# KiCad board SmartSpin2k_Panelized.kicad_pcb
title: SmartSPin2k PCB; date: 2022-03-13; rev: 2.35; company: GitHub; note: Designer: Alex Quilty; note: Owner: Anthony Doud
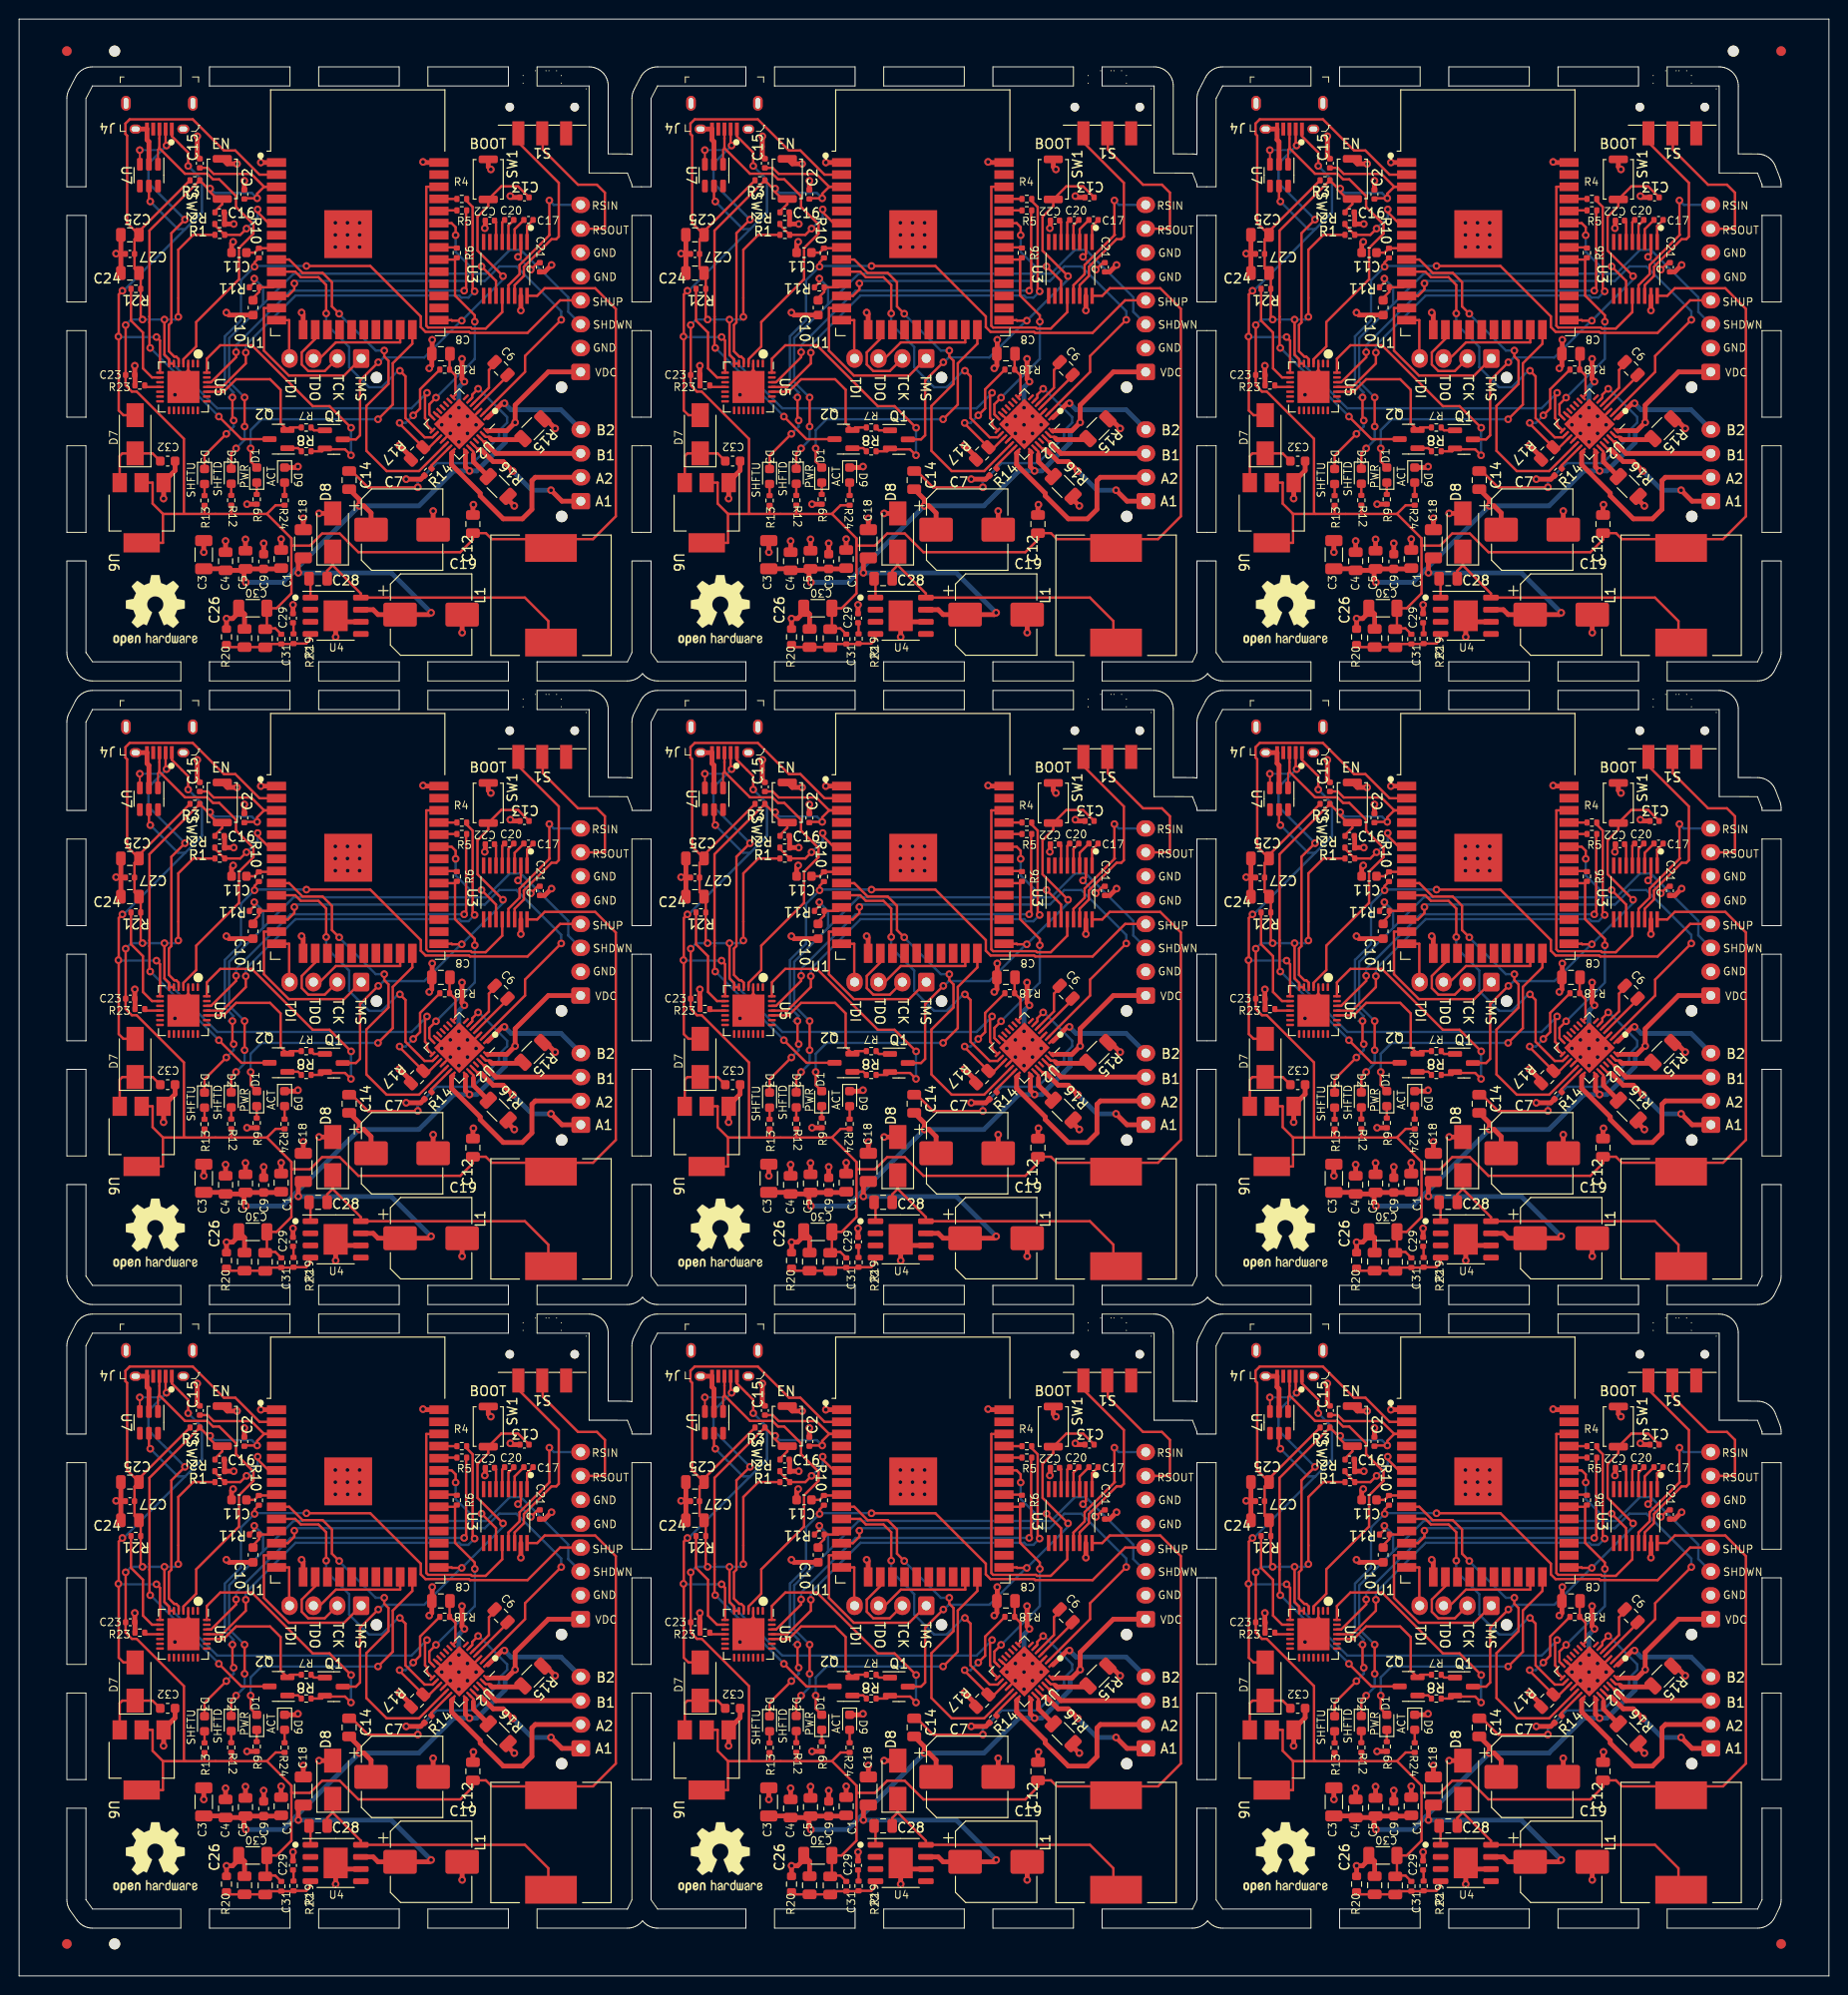
[diagram p0: board, top side]
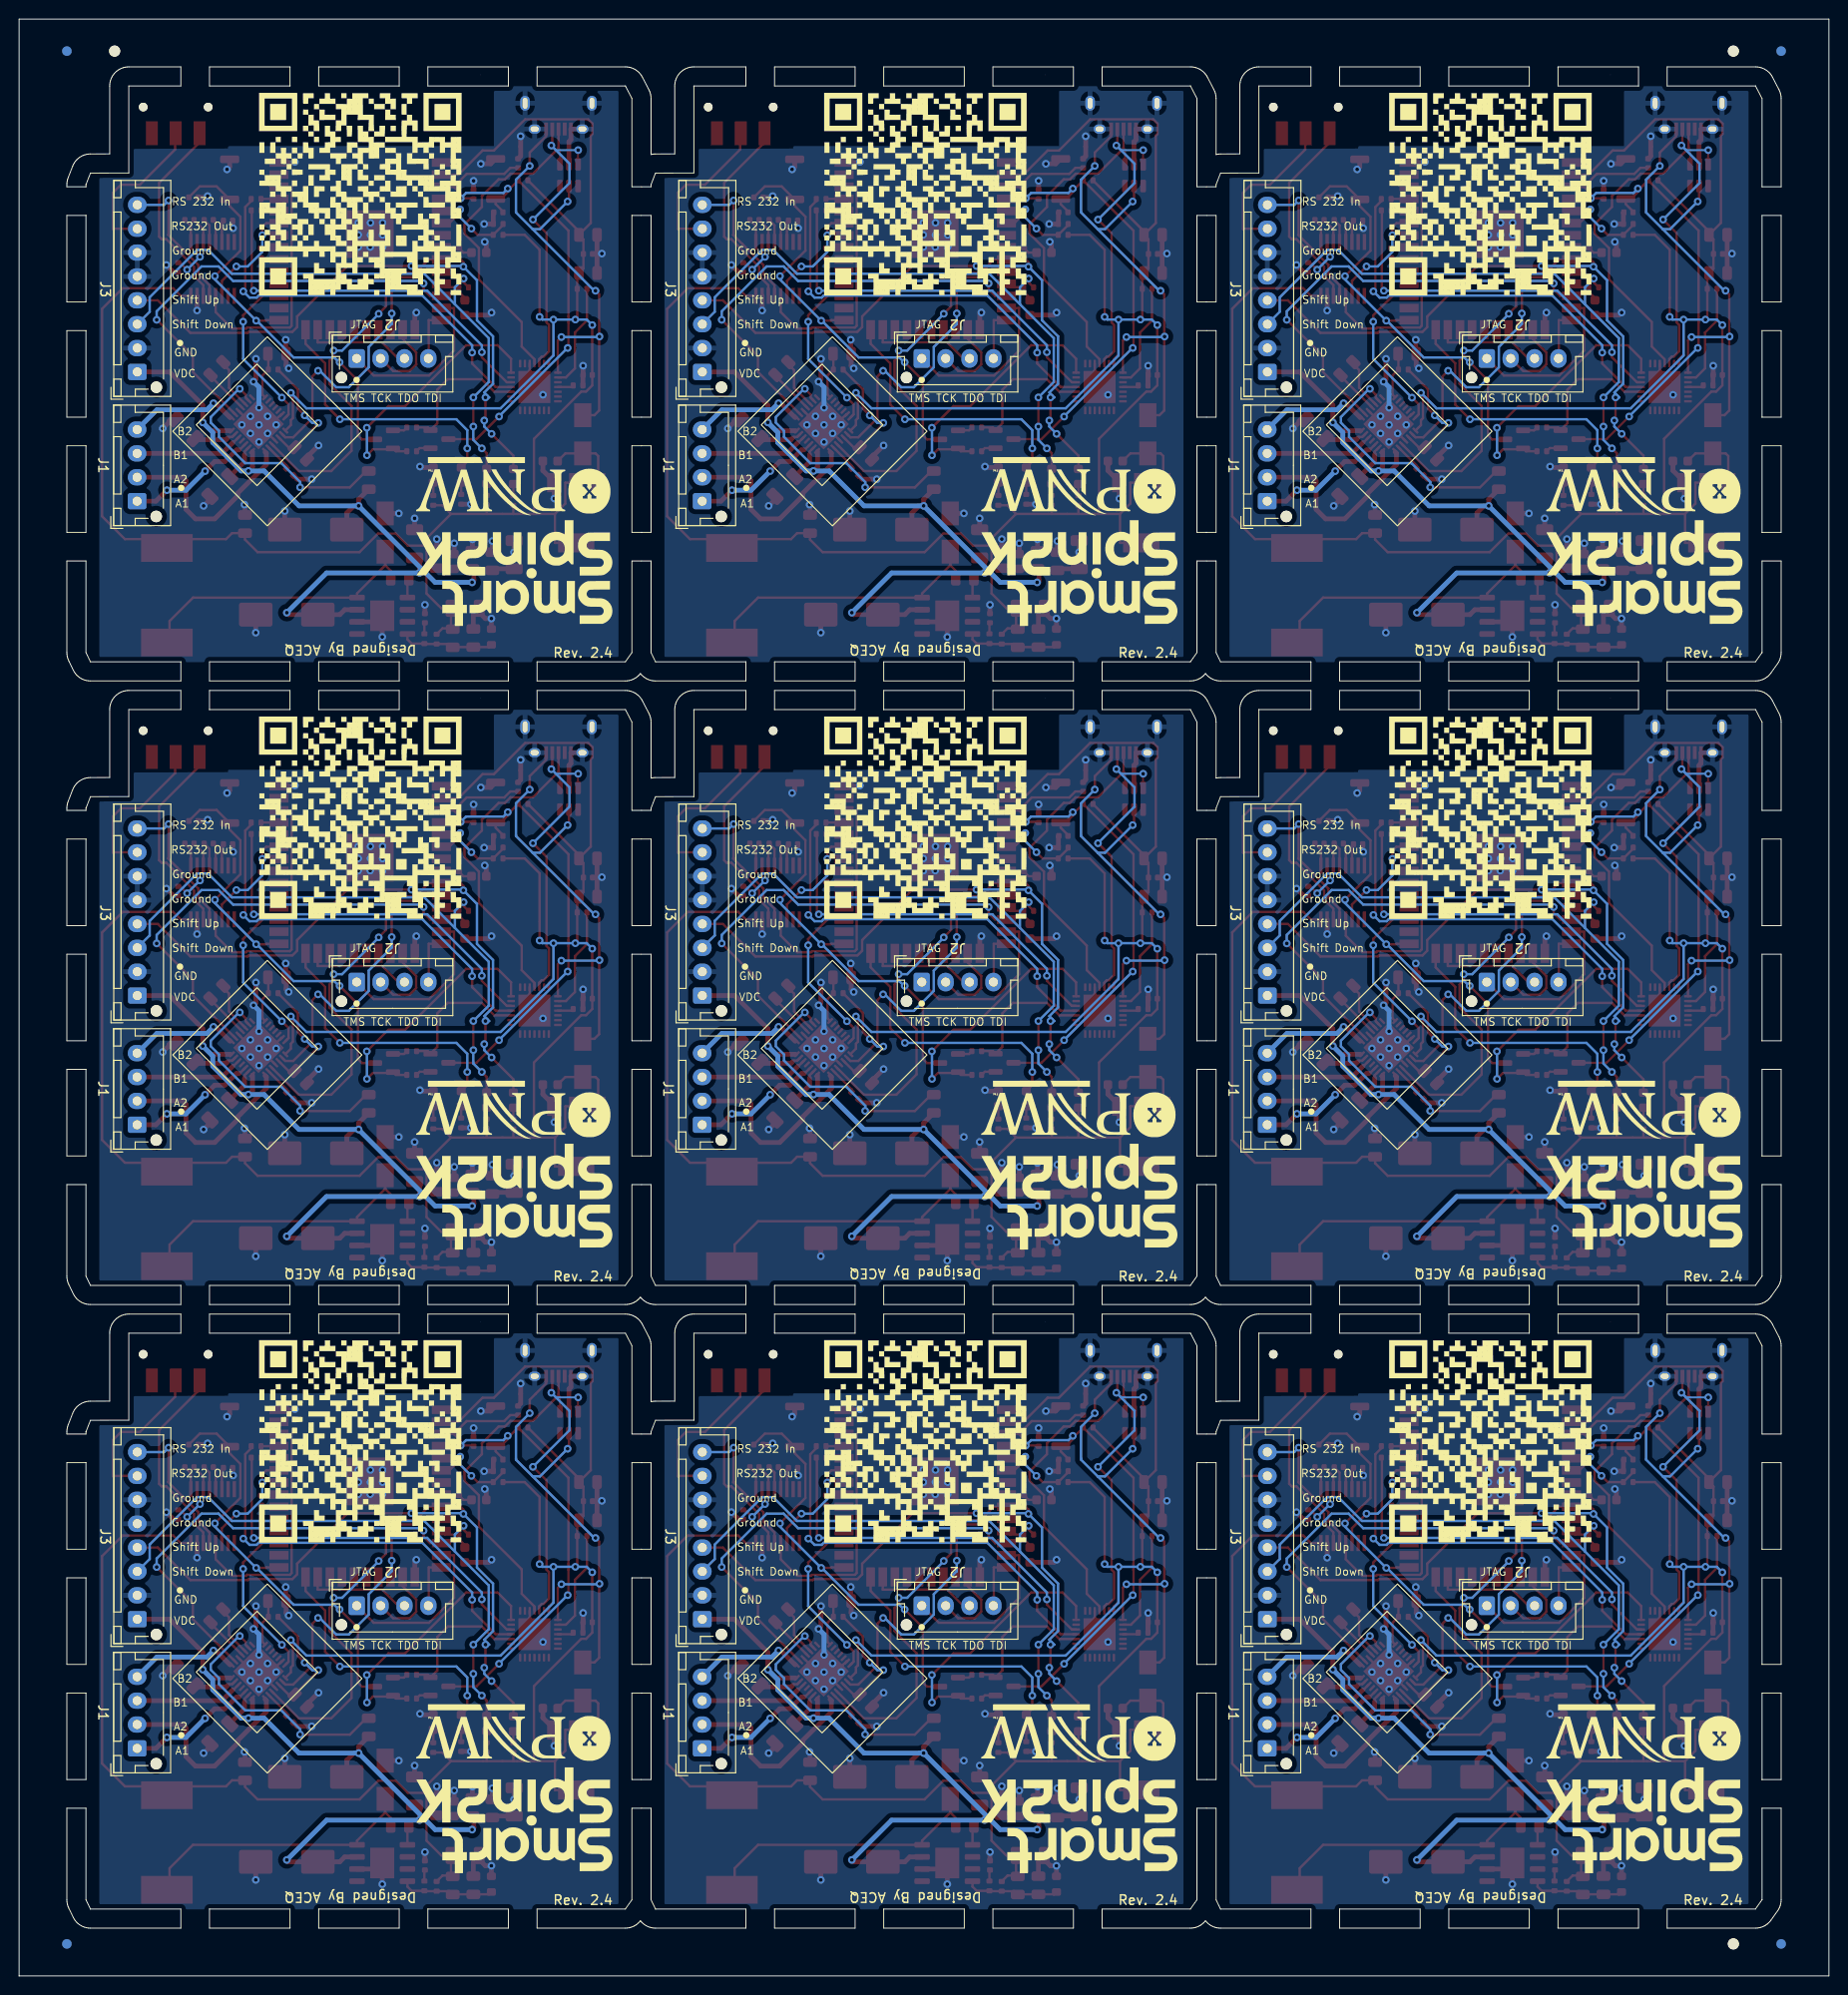
[diagram p1: board, bottom side, seen from below]

Outline 189.45 x 204.9 mm; copper layers: Top, Bottom. Coordinates in mm from the lower left corner of the outline.
Outline path: 0,204.9 0,0 189.45,0 189.45,204.9 0,204.9 ; 5,196.59 5.01,196.78 5.04,196.97 5.08,197.16 5.14,197.34 5.22,197.51 5.9,198.82 6,198.99 6.12,199.15 6.25,199.3 6.4,199.44 6.56,199.56 6.73,199.66 6.91,199.74 7.09,199.81 7.29,199.86 7.48,199.89 7.68,199.9 16.93,199.9 16.93,197.9 7.68,197.9 7,196.59 7,187.34 5,187.34 5,196.59 ; 5,184.34 7,184.34 7,175.28 5,175.28 5,184.34 ; 5,172.28 7,172.28 7,163.22 5,163.22 5,172.28 ; 5,160.22 7,160.22 7,151.16 5,151.16 5,160.22 ; 5,148.16 7,148.16 7,138.57 7.69,137.6 16.93,137.6 16.93,135.6 7.69,135.6 7.5,135.61 7.31,135.64 7.13,135.68 6.95,135.74 6.77,135.82 6.61,135.92 6.45,136.03 6.31,136.15 6.18,136.29 6.06,136.44 5.37,137.41 5.26,137.58 5.17,137.77 5.09,137.96 5.04,138.16 5.01,138.36 5,138.57 5,148.16 ; 5,131.29 5.01,131.48 5.04,131.67 5.08,131.86 5.14,132.04 5.22,132.21 5.9,133.52 6,133.69 6.12,133.85 6.25,134 6.4,134.14 6.56,134.26 6.73,134.36 6.91,134.44 7.09,134.51 7.29,134.56 7.48,134.59 7.68,134.6 16.93,134.6 16.93,132.6 7.68,132.6 7,131.29 7,122.04 5,122.04 5,131.29 ; 5,119.04 7,119.04 7,109.98 5,109.98 5,119.04 ; 5,106.98 7,106.98 7,97.92 5,97.92 5,106.98 ; 5,94.92 7,94.92 7,85.86 5,85.86 5,94.92 ; 5,82.86 7,82.86 7,73.27 7.69,72.3 16.93,72.3 16.93,70.3 7.69,70.3 7.5,70.31 7.31,70.34 7.13,70.38 6.95,70.44 6.77,70.52 6.61,70.62 6.45,70.73 6.31,70.85 6.18,70.99 6.06,71.14 5.37,72.11 5.26,72.28 5.17,72.47 5.09,72.66 5.04,72.86 5.01,73.06 5,73.27 5,82.86 ; 5,65.99 5.01,66.18 5.04,66.37 5.08,66.56 5.14,66.74 5.22,66.91 5.9,68.22 6,68.39 6.12,68.55 6.25,68.7 6.4,68.84 6.56,68.96 6.73,69.06 6.91,69.14 7.09,69.21 7.29,69.26 7.48,69.29 7.68,69.3 16.93,69.3 16.93,67.3 7.68,67.3 7,65.99 7,56.74 5,56.74 5,65.99 ; 5,53.74 7,53.74 7,44.68 5,44.68 5,53.74 ; 5,41.68 7,41.68 7,32.62 5,32.62 5,41.68 ; 5,29.62 7,29.62 7,20.56 5,20.56 5,29.62 ; 5,17.56 7,17.56 7,7.97 7.69,7 16.93,7 16.93,5 7.69,5 7.5,5.01 7.31,5.04 7.13,5.08 6.95,5.14 6.77,5.22 6.61,5.32 6.45,5.43 6.31,5.55 6.18,5.69 6.06,5.84 5.37,6.81 5.26,6.98 5.17,7.17 5.09,7.36 5.04,7.56 5.01,7.76 5,7.97 5,17.56 ; 19.93,199.9 28.36,199.9 28.36,197.9 19.93,197.9 19.93,199.9 ; 19.93,137.6 28.36,137.6 28.36,135.6 19.93,135.6 19.93,137.6 ; 19.93,134.6 28.36,134.6 28.36,132.6 19.93,132.6 19.93,134.6 ; 19.93,72.3 28.36,72.3 28.36,70.3 19.93,70.3 19.93,72.3 ; 19.93,69.3 28.36,69.3 28.36,67.3 19.93,67.3 19.93,69.3 ; 19.93,7 28.36,7 28.36,5 19.93,5 19.93,7 ; 31.36,199.9 39.79,199.9 39.79,197.9 31.36,197.9 31.36,199.9 ; 31.36,137.6 39.79,137.6 39.79,135.6 31.36,135.6 31.36,137.6 ; 31.36,134.6 39.79,134.6 39.79,132.6 31.36,132.6 31.36,134.6 ; 31.36,72.3 39.79,72.3 39.79,70.3 31.36,70.3 31.36,72.3 ; 31.36,69.3 39.79,69.3 39.79,67.3 31.36,67.3 31.36,69.3 ; 31.36,7 39.79,7 39.79,5 31.36,5 31.36,7 ; 42.79,199.9 51.22,199.9 51.22,197.9 42.79,197.9 42.79,199.9 ; 42.79,137.6 51.22,137.6 51.22,135.6 42.79,135.6 42.79,137.6 ; 42.79,134.6 51.22,134.6 51.22,132.6 42.79,132.6 42.79,134.6 ; 42.79,72.3 51.22,72.3 51.22,70.3 42.79,70.3 42.79,72.3 ; 42.79,69.3 51.22,69.3 51.22,67.3 42.79,67.3 42.79,69.3 ; 42.79,7 51.22,7 51.22,5 42.79,5 42.79,7 ; 54.22,199.9 59.67,199.9 59.86,199.89 60.06,199.86 60.25,199.81 60.43,199.75 60.61,199.66 60.78,199.56 60.94,199.45 61.08,199.31 61.21,199.17 61.33,199.01 61.43,198.84 61.52,198.67 61.58,198.48 61.63,198.29 61.66,198.1 61.67,197.9 61.67,190.78 63.68,190.78 63.88,190.77 64.08,190.74 64.15,190.72 64.15,196.59 64.16,196.78 64.19,196.97 64.23,197.16 64.29,197.34 64.37,197.51 65.05,198.82 65.15,198.99 65.27,199.15 65.4,199.3 65.55,199.44 65.71,199.56 65.88,199.66 66.06,199.74 66.24,199.81 66.44,199.86 66.63,199.89 66.83,199.9 76.08,199.9 76.08,197.9 66.83,197.9 66.15,196.59 66.15,187.34 64.15,187.34 64.15,187.57 63.68,188.78 59.67,188.79 59.67,197.9 54.22,197.9 54.22,199.9 ; 54.22,137.6 63.68,137.6 64.15,138.57 64.15,148.16 66.15,148.16 66.15,138.57 66.84,137.6 76.08,137.6 76.08,135.6 66.84,135.6 66.65,135.61 66.46,135.64 66.28,135.68 66.1,135.74 65.92,135.82 65.76,135.92 65.6,136.03 65.46,136.15 65.33,136.29 65.26,136.38 65.13,136.23 64.99,136.09 64.83,135.96 64.65,135.85 64.47,135.76 64.28,135.69 64.08,135.64 63.88,135.61 63.68,135.6 54.22,135.6 54.22,137.6 ; 54.22,134.6 59.67,134.6 59.86,134.59 60.06,134.56 60.25,134.51 60.43,134.45 60.61,134.36 60.78,134.26 60.94,134.15 61.08,134.01 61.21,133.87 61.33,133.71 61.43,133.54 61.52,133.37 61.58,133.18 61.63,132.99 61.66,132.8 61.67,132.6 61.67,125.48 63.68,125.48 63.88,125.47 64.08,125.44 64.15,125.42 64.15,131.29 64.16,131.48 64.19,131.67 64.23,131.86 64.29,132.04 64.37,132.21 65.05,133.52 65.15,133.69 65.27,133.85 65.4,134 65.55,134.14 65.71,134.26 65.88,134.36 66.06,134.44 66.24,134.51 66.44,134.56 66.63,134.59 66.83,134.6 76.08,134.6 76.08,132.6 66.83,132.6 66.15,131.29 66.15,122.04 64.15,122.04 64.15,122.27 63.68,123.48 59.67,123.49 59.67,132.6 54.22,132.6 54.22,134.6 ; 54.22,72.3 63.68,72.3 64.15,73.27 64.15,82.86 66.15,82.86 66.15,73.27 66.84,72.3 76.08,72.3 76.08,70.3 66.84,70.3 66.65,70.31 66.46,70.34 66.28,70.38 66.1,70.44 65.92,70.52 65.76,70.62 65.6,70.73 65.46,70.85 65.33,70.99 65.26,71.08 65.13,70.93 64.99,70.79 64.83,70.66 64.65,70.55 64.47,70.46 64.28,70.39 64.08,70.34 63.88,70.31 63.68,70.3 54.22,70.3 54.22,72.3 ; 54.22,69.3 59.67,69.3 59.86,69.29 60.06,69.26 60.25,69.21 60.43,69.15 60.61,69.06 60.78,68.96 60.94,68.85 61.08,68.71 61.21,68.57 61.33,68.41 61.43,68.24 61.52,68.07 61.58,67.88 61.63,67.69 61.66,67.5 61.67,67.3 61.67,60.18 63.68,60.18 63.88,60.17 64.08,60.14 64.15,60.12 64.15,65.99 64.16,66.18 64.19,66.37 64.23,66.56 64.29,66.74 64.37,66.91 65.05,68.22 65.15,68.39 65.27,68.55 65.4,68.7 65.55,68.84 65.71,68.96 65.88,69.06 66.06,69.14 66.24,69.21 66.44,69.26 66.63,69.29 66.83,69.3 76.08,69.3 76.08,67.3 66.83,67.3 66.15,65.99 66.15,56.74 64.15,56.74 64.15,56.97 63.68,58.18 59.67,58.19 59.67,67.3 54.22,67.3 54.22,69.3 ; 54.22,7 63.68,7 64.15,7.97 64.15,17.56 66.15,17.56 66.15,7.97 66.84,7 76.08,7 76.08,5 66.84,5 66.65,5.01 66.46,5.04 66.28,5.08 66.1,5.14 65.92,5.22 65.76,5.32 65.6,5.43 65.46,5.55 65.33,5.69 65.26,5.78 65.13,5.63 64.99,5.49 64.83,5.36 64.65,5.25 64.47,5.16 64.28,5.09 64.08,5.04 63.88,5.01 63.68,5 54.22,5 54.22,7 ; 64.15,184.34 66.15,184.34 66.15,175.28 64.15,175.28 64.15,184.34 ; 64.15,172.28 66.15,172.28 66.15,163.22 64.15,163.22 64.15,172.28 ; 64.15,160.22 66.15,160.22 66.15,151.16 64.15,151.16 64.15,160.22 ; 64.15,119.04 66.15,119.04 66.15,109.98 64.15,109.98 64.15,119.04 ; 64.15,106.98 66.15,106.98 66.15,97.92 64.15,97.92 64.15,106.98 ; 64.15,94.92 66.15,94.92 66.15,85.86 64.15,85.86 64.15,94.92 ; 64.15,53.74 66.15,53.74 66.15,44.68 64.15,44.68 64.15,53.74 ; 64.15,41.68 66.15,41.68 66.15,32.62 64.15,32.62 64.15,41.68 ; 64.15,29.62 66.15,29.62 66.15,20.56 64.15,20.56 64.15,29.62 ; 79.08,199.9 87.51,199.9 87.51,197.9 79.08,197.9 79.08,199.9 ; 79.08,137.6 87.51,137.6 87.51,135.6 79.08,135.6 79.08,137.6 ; 79.08,134.6 87.51,134.6 87.51,132.6 79.08,132.6 79.08,134.6 ; 79.08,72.3 87.51,72.3 87.51,70.3 79.08,70.3 79.08,72.3 ; 79.08,69.3 87.51,69.3 87.51,67.3 79.08,67.3 79.08,69.3 ; 79.08,7 87.51,7 87.51,5 79.08,5 79.08,7 ; 90.51,199.9 98.94,199.9 98.94,197.9 90.51,197.9 90.51,199.9 ; 90.51,137.6 98.94,137.6 98.94,135.6 90.51,135.6 90.51,137.6 ; 90.51,134.6 98.94,134.6 98.94,132.6 90.51,132.6 90.51,134.6 ; 90.51,72.3 98.94,72.3 98.94,70.3 90.51,70.3 90.51,72.3 ; 90.51,69.3 98.94,69.3 98.94,67.3 90.51,67.3 90.51,69.3 ; 90.51,7 98.94,7 98.94,5 90.51,5 90.51,7 ; 101.94,199.9 110.37,199.9 110.37,197.9 101.94,197.9 101.94,199.9 ; 101.94,137.6 110.37,137.6 110.37,135.6 101.94,135.6 101.94,137.6 ; 101.94,134.6 110.37,134.6 110.37,132.6 101.94,132.6 101.94,134.6 ; 101.94,72.3 110.37,72.3 110.37,70.3 101.94,70.3 101.94,72.3 ; 101.94,69.3 110.37,69.3 110.37,67.3 101.94,67.3 101.94,69.3 ; 101.94,7 110.37,7 110.37,5 101.94,5 101.94,7 ; 113.37,199.9 118.82,199.9 119.01,199.89 119.21,199.86 119.4,199.81 119.58,199.75 119.76,199.66 119.93,199.56 120.09,199.45 120.23,199.31 120.36,199.17 120.48,199.01 120.58,198.84 120.67,198.67 120.73,198.48 120.78,198.29 120.81,198.1 120.82,197.9 120.82,190.78 122.83,190.78 123.03,190.77 123.23,190.74 123.3,190.72 123.3,196.59 123.31,196.78 123.34,196.97 123.38,197.16 123.44,197.34 123.52,197.51 124.2,198.82 124.3,198.99 124.42,199.15 124.55,199.3 124.7,199.44 124.86,199.56 125.03,199.66 125.21,199.74 125.39,199.81 125.59,199.86 125.78,199.89 125.98,199.9 135.23,199.9 135.23,197.9 125.98,197.9 125.3,196.59 125.3,187.34 123.3,187.34 123.3,187.57 122.83,188.78 118.82,188.79 118.82,197.9 113.37,197.9 113.37,199.9 ; 113.37,137.6 122.83,137.6 123.3,138.57 123.3,148.16 125.3,148.16 125.3,138.57 125.99,137.6 135.23,137.6 135.23,135.6 125.99,135.6 125.8,135.61 125.61,135.64 125.43,135.68 125.25,135.74 125.07,135.82 124.91,135.92 124.75,136.03 124.61,136.15 124.48,136.29 124.41,136.38 124.28,136.23 124.14,136.09 123.98,135.96 123.8,135.85 123.62,135.76 123.43,135.69 123.23,135.64 123.03,135.61 122.83,135.6 113.37,135.6 113.37,137.6 ; 113.37,134.6 118.82,134.6 119.01,134.59 119.21,134.56 119.4,134.51 119.58,134.45 119.76,134.36 119.93,134.26 120.09,134.15 120.23,134.01 120.36,133.87 120.48,133.71 120.58,133.54 120.67,133.37 120.73,133.18 120.78,132.99 120.81,132.8 120.82,132.6 120.82,125.48 122.83,125.48 123.03,125.47 123.23,125.44 123.3,125.42 123.3,131.29 123.31,131.48 123.34,131.67 123.38,131.86 123.44,132.04 123.52,132.21 124.2,133.52 124.3,133.69 124.42,133.85 124.55,134 124.7,134.14 124.86,134.26 125.03,134.36 125.21,134.44 125.39,134.51 125.59,134.56 125.78,134.59 125.98,134.6 135.23,134.6 135.23,132.6 125.98,132.6 125.3,131.29 125.3,122.04 123.3,122.04 123.3,122.27 122.83,123.48 118.82,123.49 118.82,132.6 113.37,132.6 113.37,134.6 ; 113.37,72.3 122.83,72.3 123.3,73.27 123.3,82.86 125.3,82.86 125.3,73.27 125.99,72.3 135.23,72.3 135.23,70.3 125.99,70.3 125.8,70.31 125.61,70.34 125.43,70.38 125.25,70.44 125.07,70.52 124.91,70.62 124.75,70.73 124.61,70.85 124.48,70.99 124.41,71.08 124.28,70.93 124.14,70.79 123.98,70.66 123.8,70.55 123.62,70.46 123.43,70.39 123.23,70.34 123.03,70.31 122.83,70.3 113.37,70.3 113.37,72.3 ; 113.37,69.3 118.82,69.3 119.01,69.29 119.21,69.26 119.4,69.21 119.58,69.15 119.76,69.06 119.93,68.96 120.09,68.85 120.23,68.71 120.36,68.57 120.48,68.41 120.58,68.24 120.67,68.07 120.73,67.88 120.78,67.69 120.81,67.5 120.82,67.3 120.82,60.18 122.83,60.18 123.03,60.17 123.23,60.14 123.3,60.12 123.3,65.99 123.31,66.18 123.34,66.37 123.38,66.56 123.44,66.74 123.52,66.91 124.2,68.22 124.3,68.39 124.42,68.55 124.55,68.7 124.7,68.84 124.86,68.96 125.03,69.06 125.21,69.14 125.39,69.21 125.59,69.26 125.78,69.29 125.98,69.3 135.23,69.3 135.23,67.3 125.98,67.3 125.3,65.99 125.3,56.74 123.3,56.74 123.3,56.97 122.83,58.18 118.82,58.19 118.82,67.3 113.37,67.3 113.37,69.3 ; 113.37,7 122.83,7 123.3,7.97 123.3,17.56 125.3,17.56 125.3,7.97 125.99,7 135.23,7 135.23,5 125.99,5 125.8,5.01 125.61,5.04 125.43,5.08 125.25,5.14 125.07,5.22 124.91,5.32 124.75,5.43 124.61,5.55 124.48,5.69 124.41,5.78 124.28,5.63 124.14,5.49 123.98,5.36 123.8,5.25 123.62,5.16 123.43,5.09 123.23,5.04 123.03,5.01 122.83,5 113.37,5 113.37,7 ; 123.3,184.34 125.3,184.34 125.3,175.28 123.3,175.28 123.3,184.34 ; 123.3,172.28 125.3,172.28 125.3,163.22 123.3,163.22 123.3,172.28 ; 123.3,160.22 125.3,160.22 125.3,151.16 123.3,151.16 123.3,160.22 ; 123.3,119.04 125.3,119.04 125.3,109.98 123.3,109.98 123.3,119.04 ; 123.3,106.98 125.3,106.98 125.3,97.92 123.3,97.92 123.3,106.98 ; 123.3,94.92 125.3,94.92 125.3,85.86 123.3,85.86 123.3,94.92 ; 123.3,53.74 125.3,53.74 125.3,44.68 123.3,44.68 123.3,53.74 ; 123.3,41.68 125.3,41.68 125.3,32.62 123.3,32.62 123.3,41.68 ; 123.3,29.62 125.3,29.62 125.3,20.56 123.3,20.56 123.3,29.62 ; 138.23,199.9 146.66,199.9 146.66,197.9 138.23,197.9 138.23,199.9 ; 138.23,137.6 146.66,137.6 146.66,135.6 138.23,135.6 138.23,137.6 ; 138.23,134.6 146.66,134.6 146.66,132.6 138.23,132.6 138.23,134.6 ; 138.23,72.3 146.66,72.3 146.66,70.3 138.23,70.3 138.23,72.3 ; 138.23,69.3 146.66,69.3 146.66,67.3 138.23,67.3 138.23,69.3 ; 138.23,7 146.66,7 146.66,5 138.23,5 138.23,7 ; 149.66,199.9 158.09,199.9 158.09,197.9 149.66,197.9 149.66,199.9 ; 149.66,137.6 158.09,137.6 158.09,135.6 149.66,135.6 149.66,137.6 ; 149.66,134.6 158.09,134.6 158.09,132.6 149.66,132.6 149.66,134.6 ; 149.66,72.3 158.09,72.3 158.09,70.3 149.66,70.3 149.66,72.3 ; 149.66,69.3 158.09,69.3 158.09,67.3 149.66,67.3 149.66,69.3 ; 149.66,7 158.09,7 158.09,5 149.66,5 149.66,7 ; 161.09,199.9 169.52,199.9 169.52,197.9 161.09,197.9 161.09,199.9 ; 161.09,137.6 169.52,137.6 169.52,135.6 161.09,135.6 161.09,137.6 ; 161.09,134.6 169.52,134.6 169.52,132.6 161.09,132.6 161.09,134.6 ; 161.09,72.3 169.52,72.3 169.52,70.3 161.09,70.3 161.09,72.3 ; 161.09,69.3 169.52,69.3 169.52,67.3 161.09,67.3 161.09,69.3 ; 161.09,7 169.52,7 169.52,5 161.09,5 161.09,7 ; 172.52,199.9 177.97,199.9 178.16,199.89 178.36,199.86 178.55,199.81 178.73,199.75 178.91,199.66 179.08,199.56 179.24,199.45 179.38,199.31 179.51,199.17 179.63,199.01 179.73,198.84 179.82,198.67 179.88,198.48 179.93,198.29 179.96,198.1 179.97,197.9 179.97,190.78 181.98,190.78 182.18,190.77 182.38,190.74 182.57,190.69 182.76,190.62 182.94,190.53 183.11,190.43 183.27,190.31 183.42,190.17 183.55,190.02 183.66,189.86 183.76,189.69 183.84,189.5 184.31,188.29 184.37,188.12 184.42,187.94 184.44,187.75 184.45,187.57 184.45,187.34 182.45,187.34 182.45,187.57 181.98,188.78 177.97,188.79 177.97,197.9 172.52,197.9 172.52,199.9 ; 172.52,137.6 181.98,137.6 182.45,138.57 182.45,148.16 184.45,148.16 184.45,138.57 184.44,138.39 184.42,138.21 184.38,138.04 184.32,137.86 184.25,137.7 183.78,136.73 183.68,136.55 183.57,136.38 183.43,136.23 183.29,136.09 183.13,135.96 182.95,135.85 182.77,135.76 182.58,135.69 182.38,135.64 182.18,135.61 181.98,135.6 172.52,135.6 172.52,137.6 ; 172.52,134.6 177.97,134.6 178.16,134.59 178.36,134.56 178.55,134.51 178.73,134.45 178.91,134.36 179.08,134.26 179.24,134.15 179.38,134.01 179.51,133.87 179.63,133.71 179.73,133.54 179.82,133.37 179.88,133.18 179.93,132.99 179.96,132.8 179.97,132.6 179.97,125.48 181.98,125.48 182.18,125.47 182.38,125.44 182.57,125.39 182.76,125.32 182.94,125.23 183.11,125.13 183.27,125.01 183.42,124.87 183.55,124.72 183.66,124.56 183.76,124.39 183.84,124.2 184.31,122.99 184.37,122.82 184.42,122.64 184.44,122.45 184.45,122.27 184.45,122.04 182.45,122.04 182.45,122.27 181.98,123.48 177.97,123.49 177.97,132.6 172.52,132.6 172.52,134.6 ; 172.52,72.3 181.98,72.3 182.45,73.27 182.45,82.86 184.45,82.86 184.45,73.27 184.44,73.09 184.42,72.91 184.38,72.74 184.32,72.56 184.25,72.4 183.78,71.43 183.68,71.25 183.57,71.08 183.43,70.93 183.29,70.79 183.13,70.66 182.95,70.55 182.77,70.46 182.58,70.39 182.38,70.34 182.18,70.31 181.98,70.3 172.52,70.3 172.52,72.3 ; 172.52,69.3 177.97,69.3 178.16,69.29 178.36,69.26 178.55,69.21 178.73,69.15 178.91,69.06 179.08,68.96 179.24,68.85 179.38,68.71 179.51,68.57 179.63,68.41 179.73,68.24 179.82,68.07 179.88,67.88 179.93,67.69 179.96,67.5 179.97,67.3 179.97,60.18 181.98,60.18 182.18,60.17 182.38,60.14 182.57,60.09 182.76,60.02 182.94,59.93 183.11,59.83 183.27,59.71 183.42,59.57 183.55,59.42 183.66,59.26 183.76,59.09 183.84,58.9 184.31,57.69 184.37,57.52 184.42,57.34 184.44,57.15 184.45,56.97 184.45,56.74 182.45,56.74 182.45,56.97 181.98,58.18 177.97,58.19 177.97,67.3 172.52,67.3 172.52,69.3 ; 172.52,7 181.98,7 182.45,7.97 182.45,17.56 184.45,17.56 184.45,7.97 184.44,7.79 184.42,7.61 184.38,7.44 184.32,7.26 184.25,7.1 183.78,6.13 183.68,5.95 183.57,5.78 183.43,5.63 183.29,5.49 183.13,5.36 182.95,5.25 182.77,5.16 182.58,5.09 182.38,5.04 182.18,5.01 181.98,5 172.52,5 172.52,7 ; 182.45,184.34 184.45,184.34 184.45,175.28 182.45,175.28 182.45,184.34 ; 182.45,172.28 184.45,172.28 184.45,163.22 182.45,163.22 182.45,172.28 ; 182.45,160.22 184.45,160.22 184.45,151.16 182.45,151.16 182.45,160.22 ; 182.45,119.04 184.45,119.04 184.45,109.98 182.45,109.98 182.45,119.04 ; 182.45,106.98 184.45,106.98 184.45,97.92 182.45,97.92 182.45,106.98 ; 182.45,94.92 184.45,94.92 184.45,85.86 182.45,85.86 182.45,94.92 ; 182.45,53.74 184.45,53.74 184.45,44.68 182.45,44.68 182.45,53.74 ; 182.45,41.68 184.45,41.68 184.45,32.62 182.45,32.62 182.45,41.68 ; 182.45,29.62 184.45,29.62 184.45,20.56 182.45,20.56 182.45,29.62
Stack: Top 0.035mm / dielectric 1.51mm FR4 er 4.5 / Bottom 0.035mm

## Placement (name value [footprint] x y rotation side)
C1  10uF(50V)  [C_0805_2012Metric]  86.58 148.36 90 top
C1#2  10uF(50V)  [C_0805_2012Metric]  145.73 148.36 90 top
C1#3  10uF(50V)  [C_0805_2012Metric]  27.43 83.06 90 top
C1#4  10uF(50V)  [C_0805_2012Metric]  145.73 17.76 90 top
C1#5  10uF(50V)  [C_0805_2012Metric]  27.43 148.36 90 top
C1#6  10uF(50V)  [C_0805_2012Metric]  86.58 83.06 90 top
C1#7  10uF(50V)  [C_0805_2012Metric]  27.43 17.76 90 top
C1#8  10uF(50V)  [C_0805_2012Metric]  86.58 17.76 90 top
C1#9  10uF(50V)  [C_0805_2012Metric]  145.73 83.06 90 top
C2  0.1uF(10%)  [C_0402_1005Metric]  141.88 121.24 90 top
C2#2  0.1uF(10%)  [C_0402_1005Metric]  23.58 55.94 90 top
C2#3  0.1uF(10%)  [C_0402_1005Metric]  82.73 186.54 90 top
C2#4  0.1uF(10%)  [C_0402_1005Metric]  82.73 55.94 90 top
C2#5  0.1uF(10%)  [C_0402_1005Metric]  141.88 55.94 90 top
C2#6  0.1uF(10%)  [C_0402_1005Metric]  82.73 121.24 90 top
C2#7  0.1uF(10%)  [C_0402_1005Metric]  23.58 121.24 90 top
C2#8  0.1uF(10%)  [C_0402_1005Metric]  23.58 186.54 90 top
C2#9  0.1uF(10%)  [C_0402_1005Metric]  141.88 186.54 90 top
C3  10uF(50V)  [C_1206_3216Metric]  78.48 18.22 90 top
C3#2  10uF(50V)  [C_1206_3216Metric]  78.48 83.52 90 top
C3#3  10uF(50V)  [C_1206_3216Metric]  137.63 83.52 90 top
C3#4  10uF(50V)  [C_1206_3216Metric]  78.48 148.82 90 top
C3#5  10uF(50V)  [C_1206_3216Metric]  19.33 18.22 90 top
C3#6  10uF(50V)  [C_1206_3216Metric]  19.33 83.52 90 top
C3#7  10uF(50V)  [C_1206_3216Metric]  137.63 18.22 90 top
C3#8  10uF(50V)  [C_1206_3216Metric]  19.33 148.82 90 top
C3#9  10uF(50V)  [C_1206_3216Metric]  137.63 148.82 90 top
C4  100nF(50V)  [C_0805_2012Metric]  139.91 17.53 90 top
C4#2  100nF(50V)  [C_0805_2012Metric]  21.61 17.53 90 top
C4#3  100nF(50V)  [C_0805_2012Metric]  80.76 17.53 90 top
C4#4  100nF(50V)  [C_0805_2012Metric]  139.91 82.83 90 top
C4#5  100nF(50V)  [C_0805_2012Metric]  80.76 148.13 90 top
C4#6  100nF(50V)  [C_0805_2012Metric]  139.91 148.13 90 top
C4#7  100nF(50V)  [C_0805_2012Metric]  21.61 82.83 90 top
C4#8  100nF(50V)  [C_0805_2012Metric]  21.61 148.13 90 top
C4#9  100nF(50V)  [C_0805_2012Metric]  80.76 82.83 90 top
C5  100nF(50V)  [C_0805_2012Metric]  82.85 148.28 90 top
C5#2  100nF(50V)  [C_0805_2012Metric]  82.85 82.98 90 top
C5#3  100nF(50V)  [C_0805_2012Metric]  142 17.68 90 top
C5#4  100nF(50V)  [C_0805_2012Metric]  23.7 17.68 90 top
C5#5  100nF(50V)  [C_0805_2012Metric]  23.7 148.28 90 top
C5#6  100nF(50V)  [C_0805_2012Metric]  142 148.28 90 top
C5#7  100nF(50V)  [C_0805_2012Metric]  23.7 82.98 90 top
C5#8  100nF(50V)  [C_0805_2012Metric]  142 82.98 90 top
C5#9  100nF(50V)  [C_0805_2012Metric]  82.85 17.68 90 top
C6  22nF(50V)  [C_0805_2012Metric]  50.45 103.01 315 top
C6#2  22nF(50V)  [C_0805_2012Metric]  168.75 168.31 315 top
C6#3  22nF(50V)  [C_0805_2012Metric]  109.6 37.71 315 top
C6#4  22nF(50V)  [C_0805_2012Metric]  50.45 168.31 315 top
C6#5  22nF(50V)  [C_0805_2012Metric]  50.45 37.71 315 top
C6#6  22nF(50V)  [C_0805_2012Metric]  109.6 168.31 315 top
C6#7  22nF(50V)  [C_0805_2012Metric]  168.75 103.01 315 top
C6#8  22nF(50V)  [C_0805_2012Metric]  168.75 37.71 315 top
C6#9  22nF(50V)  [C_0805_2012Metric]  109.6 103.01 315 top
C7  100uF(50V)  [CP_Elec_8x10]  158.39 20.84 0 top
C7#2  100uF(50V)  [CP_Elec_8x10]  40.09 20.84 0 top
C7#3  100uF(50V)  [CP_Elec_8x10]  158.39 151.44 0 top
C7#4  100uF(50V)  [CP_Elec_8x10]  99.24 20.84 0 top
C7#5  100uF(50V)  [CP_Elec_8x10]  40.09 151.44 0 top
C7#6  100uF(50V)  [CP_Elec_8x10]  158.39 86.14 0 top
C7#7  100uF(50V)  [CP_Elec_8x10]  99.24 151.44 0 top
C7#8  100uF(50V)  [CP_Elec_8x10]  40.09 86.14 0 top
C7#9  100uF(50V)  [CP_Elec_8x10]  99.24 86.14 0 top
C8  4.7uF(6V3)  [C_0805_2012Metric]  44.15 104.56 180 top
C8#2  4.7uF(6V3)  [C_0805_2012Metric]  103.3 104.56 180 top
C8#3  4.7uF(6V3)  [C_0805_2012Metric]  162.45 104.56 180 top
C8#4  4.7uF(6V3)  [C_0805_2012Metric]  162.45 39.26 180 top
C8#5  4.7uF(6V3)  [C_0805_2012Metric]  44.15 39.26 180 top
C8#6  4.7uF(6V3)  [C_0805_2012Metric]  44.15 169.86 180 top
C8#7  4.7uF(6V3)  [C_0805_2012Metric]  103.3 39.26 180 top
C8#8  4.7uF(6V3)  [C_0805_2012Metric]  103.3 169.86 180 top
C8#9  4.7uF(6V3)  [C_0805_2012Metric]  162.45 169.86 180 top
C9  1uF(50V)  [C_0603_1608Metric]  25.6 17.51 90 top
C9#2  1uF(50V)  [C_0603_1608Metric]  84.75 17.51 90 top
C9#3  1uF(50V)  [C_0603_1608Metric]  143.9 148.11 90 top
C9#4  1uF(50V)  [C_0603_1608Metric]  143.9 82.81 90 top
C9#5  1uF(50V)  [C_0603_1608Metric]  143.9 17.51 90 top
C9#6  1uF(50V)  [C_0603_1608Metric]  84.75 148.11 90 top
C9#7  1uF(50V)  [C_0603_1608Metric]  84.75 82.81 90 top
C9#8  1uF(50V)  [C_0603_1608Metric]  25.6 148.11 90 top
C9#9  1uF(50V)  [C_0603_1608Metric]  25.6 82.81 90 top
C10  1uF  [C_0603_1608Metric]  83.64 174.68 270 top
C10#2  1uF  [C_0603_1608Metric]  142.79 44.08 270 top
C10#3  1uF  [C_0603_1608Metric]  83.64 109.38 270 top
C10#4  1uF  [C_0603_1608Metric]  24.49 109.38 270 top
C10#5  1uF  [C_0603_1608Metric]  24.49 174.68 270 top
C10#6  1uF  [C_0603_1608Metric]  142.79 109.38 270 top
C10#7  1uF  [C_0603_1608Metric]  83.64 44.08 270 top
C10#8  1uF  [C_0603_1608Metric]  24.49 44.08 270 top
C10#9  1uF  [C_0603_1608Metric]  142.79 174.68 270 top
C11  1uF  [C_0603_1608Metric]  141.32 115.15 180 top
C11#2  1uF  [C_0603_1608Metric]  82.17 180.45 180 top
C11#3  1uF  [C_0603_1608Metric]  82.17 115.15 180 top
C11#4  1uF  [C_0603_1608Metric]  141.32 49.85 180 top
C11#5  1uF  [C_0603_1608Metric]  23.02 49.85 180 top
C11#6  1uF  [C_0603_1608Metric]  82.17 49.85 180 top
C11#7  1uF  [C_0603_1608Metric]  23.02 180.45 180 top
C11#8  1uF  [C_0603_1608Metric]  141.32 180.45 180 top
C11#9  1uF  [C_0603_1608Metric]  23.02 115.15 180 top
C12  100nF(10V)  [C_0805_2012Metric]  106.65 21.43 90 top
C12#2  100nF(10V)  [C_0805_2012Metric]  165.8 86.73 90 top
C12#3  100nF(10V)  [C_0805_2012Metric]  165.8 21.43 90 top
C12#4  100nF(10V)  [C_0805_2012Metric]  106.65 152.03 90 top
C12#5  100nF(10V)  [C_0805_2012Metric]  47.5 86.73 90 top
C12#6  100nF(10V)  [C_0805_2012Metric]  106.65 86.73 90 top
C12#7  100nF(10V)  [C_0805_2012Metric]  47.5 21.43 90 top
C12#8  100nF(10V)  [C_0805_2012Metric]  47.5 152.03 90 top
C12#9  100nF(10V)  [C_0805_2012Metric]  165.8 152.03 90 top
C13  0.1uF(10%)  [C_0402_1005Metric]  52.9 186.23 180 top
C13#2  0.1uF(10%)  [C_0402_1005Metric]  112.05 120.93 180 top
C13#3  0.1uF(10%)  [C_0402_1005Metric]  171.2 186.23 180 top
C13#4  0.1uF(10%)  [C_0402_1005Metric]  52.9 55.63 180 top
C13#5  0.1uF(10%)  [C_0402_1005Metric]  52.9 120.93 180 top
C13#6  0.1uF(10%)  [C_0402_1005Metric]  112.05 186.23 180 top
C13#7  0.1uF(10%)  [C_0402_1005Metric]  171.2 55.63 180 top
C13#8  0.1uF(10%)  [C_0402_1005Metric]  112.05 55.63 180 top
C13#9  0.1uF(10%)  [C_0402_1005Metric]  171.2 120.93 180 top
C14  100nF(50V)  [C_0805_2012Metric]  152.85 156.62 90 top
C14#2  100nF(50V)  [C_0805_2012Metric]  152.85 26.02 90 top
C14#3  100nF(50V)  [C_0805_2012Metric]  34.55 91.32 90 top
C14#4  100nF(50V)  [C_0805_2012Metric]  34.55 156.62 90 top
C14#5  100nF(50V)  [C_0805_2012Metric]  93.7 26.02 90 top
C14#6  100nF(50V)  [C_0805_2012Metric]  152.85 91.32 90 top
C14#7  100nF(50V)  [C_0805_2012Metric]  34.55 26.02 90 top
C14#8  100nF(50V)  [C_0805_2012Metric]  93.7 91.32 90 top
C14#9  100nF(50V)  [C_0805_2012Metric]  93.7 156.62 90 top
C15  0.1uF(10%)  [C_0402_1005Metric]  78.07 59.2 90 top
C15#2  0.1uF(10%)  [C_0402_1005Metric]  137.22 59.2 90 top
C15#3  0.1uF(10%)  [C_0402_1005Metric]  18.92 124.5 90 top
C15#4  0.1uF(10%)  [C_0402_1005Metric]  18.92 189.8 90 top
C15#5  0.1uF(10%)  [C_0402_1005Metric]  78.07 124.5 90 top
C15#6  0.1uF(10%)  [C_0402_1005Metric]  18.92 59.2 90 top
C15#7  0.1uF(10%)  [C_0402_1005Metric]  78.07 189.8 90 top
C15#8  0.1uF(10%)  [C_0402_1005Metric]  137.22 189.8 90 top
C15#9  0.1uF(10%)  [C_0402_1005Metric]  137.22 124.5 90 top
C16  2.2uF  [C_0402_1005Metric]  20.99 54.07 0 top
C16#2  2.2uF  [C_0402_1005Metric]  139.29 119.37 0 top
C16#3  2.2uF  [C_0402_1005Metric]  80.14 184.67 0 top
C16#4  2.2uF  [C_0402_1005Metric]  20.99 119.37 0 top
C16#5  2.2uF  [C_0402_1005Metric]  139.29 184.67 0 top
C16#6  2.2uF  [C_0402_1005Metric]  80.14 54.07 0 top
C16#7  2.2uF  [C_0402_1005Metric]  139.29 54.07 0 top
C16#8  2.2uF  [C_0402_1005Metric]  80.14 119.37 0 top
C16#9  2.2uF  [C_0402_1005Metric]  20.99 184.67 0 top
C17  0.1uF  [C_0402_1005Metric]  53.32 118.57 0 top
C17#2  0.1uF  [C_0402_1005Metric]  53.32 53.27 0 top
C17#3  0.1uF  [C_0402_1005Metric]  171.62 183.87 0 top
C17#4  0.1uF  [C_0402_1005Metric]  112.47 183.87 0 top
C17#5  0.1uF  [C_0402_1005Metric]  112.47 53.27 0 top
C17#6  0.1uF  [C_0402_1005Metric]  53.32 183.87 0 top
C17#7  0.1uF  [C_0402_1005Metric]  171.62 53.27 0 top
C17#8  0.1uF  [C_0402_1005Metric]  112.47 118.57 0 top
C17#9  0.1uF  [C_0402_1005Metric]  171.62 118.57 0 top
C18  4.7uF(50V)  [C_1206_3216Metric]  88.9 149.96 90 top
C18#2  4.7uF(50V)  [C_1206_3216Metric]  29.75 19.36 90 top
C18#3  4.7uF(50V)  [C_1206_3216Metric]  148.05 84.66 90 top
C18#4  4.7uF(50V)  [C_1206_3216Metric]  29.75 149.96 90 top
C18#5  4.7uF(50V)  [C_1206_3216Metric]  29.75 84.66 90 top
C18#6  4.7uF(50V)  [C_1206_3216Metric]  148.05 149.96 90 top
C18#7  4.7uF(50V)  [C_1206_3216Metric]  88.9 84.66 90 top
C18#8  4.7uF(50V)  [C_1206_3216Metric]  148.05 19.36 90 top
C18#9  4.7uF(50V)  [C_1206_3216Metric]  88.9 19.36 90 top
C19  100uF(50V)  [CP_Elec_8x10]  43.13 11.94 0 top
C19#2  100uF(50V)  [CP_Elec_8x10]  102.28 77.25 0 top
C19#3  100uF(50V)  [CP_Elec_8x10]  161.43 77.25 0 top
C19#4  100uF(50V)  [CP_Elec_8x10]  43.13 142.55 0 top
C19#5  100uF(50V)  [CP_Elec_8x10]  43.13 77.25 0 top
C19#6  100uF(50V)  [CP_Elec_8x10]  161.43 11.94 0 top
C19#7  100uF(50V)  [CP_Elec_8x10]  102.28 11.94 0 top
C19#8  100uF(50V)  [CP_Elec_8x10]  161.43 142.55 0 top
C19#9  100uF(50V)  [CP_Elec_8x10]  102.28 142.55 0 top
C20  0.1uF  [C_0402_1005Metric]  51.3 118.57 0 top
C20#2  0.1uF  [C_0402_1005Metric]  169.6 183.87 0 top
C20#3  0.1uF  [C_0402_1005Metric]  51.3 53.27 0 top
C20#4  0.1uF  [C_0402_1005Metric]  169.6 53.27 0 top
C20#5  0.1uF  [C_0402_1005Metric]  110.45 53.27 0 top
C20#6  0.1uF  [C_0402_1005Metric]  110.45 118.57 0 top
C20#7  0.1uF  [C_0402_1005Metric]  51.3 183.87 0 top
C20#8  0.1uF  [C_0402_1005Metric]  110.45 183.87 0 top
C20#9  0.1uF  [C_0402_1005Metric]  169.6 118.57 0 top
C21  0.1uF  [C_0402_1005Metric]  113.66 113.61 270 top
C21#2  0.1uF  [C_0402_1005Metric]  54.51 113.61 270 top
C21#3  0.1uF  [C_0402_1005Metric]  172.81 48.31 270 top
C21#4  0.1uF  [C_0402_1005Metric]  172.81 113.61 270 top
C21#5  0.1uF  [C_0402_1005Metric]  54.51 48.31 270 top
C21#6  0.1uF  [C_0402_1005Metric]  172.81 178.91 270 top
C21#7  0.1uF  [C_0402_1005Metric]  113.66 178.91 270 top
C21#8  0.1uF  [C_0402_1005Metric]  113.66 48.31 270 top
C21#9  0.1uF  [C_0402_1005Metric]  54.51 178.91 270 top
C22  0.1uF  [C_0402_1005Metric]  167.58 118.5 180 top
C22#2  0.1uF  [C_0402_1005Metric]  167.58 53.2 180 top
C22#3  0.1uF  [C_0402_1005Metric]  108.43 183.8 180 top
C22#4  0.1uF  [C_0402_1005Metric]  49.28 53.2 180 top
C22#5  0.1uF  [C_0402_1005Metric]  108.43 118.5 180 top
C22#6  0.1uF  [C_0402_1005Metric]  49.28 118.5 180 top
C22#7  0.1uF  [C_0402_1005Metric]  49.28 183.8 180 top
C22#8  0.1uF  [C_0402_1005Metric]  108.43 53.2 180 top
C22#9  0.1uF  [C_0402_1005Metric]  167.58 183.8 180 top
C23  0.1uF  [C_0402_1005Metric]  70.78 37.03 0 top
C23#2  0.1uF  [C_0402_1005Metric]  11.63 37.03 0 top
C23#3  0.1uF  [C_0402_1005Metric]  70.78 102.33 0 top
C23#4  0.1uF  [C_0402_1005Metric]  11.63 102.33 0 top
C23#5  0.1uF  [C_0402_1005Metric]  129.93 37.03 0 top
C23#6  0.1uF  [C_0402_1005Metric]  129.93 167.63 0 top
C23#7  0.1uF  [C_0402_1005Metric]  129.93 102.33 0 top
C23#8  0.1uF  [C_0402_1005Metric]  11.63 167.63 0 top
C23#9  0.1uF  [C_0402_1005Metric]  70.78 167.63 0 top
C24  4.7uF  [C_0805_2012Metric]  70.75 47.71 0 top
C24#2  4.7uF  [C_0805_2012Metric]  129.9 47.71 0 top
C24#3  4.7uF  [C_0805_2012Metric]  70.75 113.01 0 top
C24#4  4.7uF  [C_0805_2012Metric]  129.9 178.31 0 top
C24#5  4.7uF  [C_0805_2012Metric]  11.6 47.71 0 top
C24#6  4.7uF  [C_0805_2012Metric]  129.9 113.01 0 top
C24#7  4.7uF  [C_0805_2012Metric]  11.6 178.31 0 top
C24#8  4.7uF  [C_0805_2012Metric]  70.75 178.31 0 top
C24#9  4.7uF  [C_0805_2012Metric]  11.6 113.01 0 top
C25  1.0uF  [C_0805_2012Metric]  70.75 117.01 180 top
C25#2  1.0uF  [C_0805_2012Metric]  11.6 182.31 180 top
C25#3  1.0uF  [C_0805_2012Metric]  11.6 117.01 180 top
C25#4  1.0uF  [C_0805_2012Metric]  70.75 182.31 180 top
C25#5  1.0uF  [C_0805_2012Metric]  11.6 51.71 180 top
C25#6  1.0uF  [C_0805_2012Metric]  129.9 51.71 180 top
C25#7  1.0uF  [C_0805_2012Metric]  129.9 117.01 180 top
C25#8  1.0uF  [C_0805_2012Metric]  129.9 182.31 180 top
C25#9  1.0uF  [C_0805_2012Metric]  70.75 51.71 180 top
C26  150pF  [C_0805_2012Metric]  23.6 74.79 90 top
C26#2  150pF  [C_0805_2012Metric]  23.6 9.49 90 top
C26#3  150pF  [C_0805_2012Metric]  141.9 9.49 90 top
C26#4  150pF  [C_0805_2012Metric]  141.9 140.09 90 top
C26#5  150pF  [C_0805_2012Metric]  141.9 74.79 90 top
C26#6  150pF  [C_0805_2012Metric]  82.75 74.79 90 top
C26#7  150pF  [C_0805_2012Metric]  23.6 140.09 90 top
C26#8  150pF  [C_0805_2012Metric]  82.75 9.49 90 top
C26#9  150pF  [C_0805_2012Metric]  82.75 140.09 90 top
C27  0.1uF  [C_0402_1005Metric]  11.6 180.31 180 top
C27#2  0.1uF  [C_0402_1005Metric]  11.6 115.01 180 top
C27#3  0.1uF  [C_0402_1005Metric]  11.6 49.71 180 top
C27#4  0.1uF  [C_0402_1005Metric]  70.75 115.01 180 top
C27#5  0.1uF  [C_0402_1005Metric]  129.9 49.71 180 top
C27#6  0.1uF  [C_0402_1005Metric]  129.9 180.31 180 top
C27#7  0.1uF  [C_0402_1005Metric]  70.75 180.31 180 top
C27#8  0.1uF  [C_0402_1005Metric]  129.9 115.01 180 top
C27#9  0.1uF  [C_0402_1005Metric]  70.75 49.71 180 top
C28  0.01uF  [C_0805_2012Metric]  149.6 15.71 0 top
C28#2  0.01uF  [C_0805_2012Metric]  90.45 146.31 0 top
C28#3  0.01uF  [C_0805_2012Metric]  31.3 81.01 0 top
C28#4  0.01uF  [C_0805_2012Metric]  90.45 15.71 0 top
C28#5  0.01uF  [C_0805_2012Metric]  149.6 146.31 0 top
C28#6  0.01uF  [C_0805_2012Metric]  90.45 81.01 0 top
C28#7  0.01uF  [C_0805_2012Metric]  31.3 146.31 0 top
C28#8  0.01uF  [C_0805_2012Metric]  31.3 15.71 0 top
C28#9  0.01uF  [C_0805_2012Metric]  149.6 81.01 0 top
C29  0.1uF  [C_0402_1005Metric]  146.97 142.17 90 top
C29#2  0.1uF  [C_0402_1005Metric]  87.82 142.17 90 top
C29#3  0.1uF  [C_0402_1005Metric]  28.67 11.57 90 top
C29#4  0.1uF  [C_0402_1005Metric]  28.67 76.87 90 top
C29#5  0.1uF  [C_0402_1005Metric]  87.82 11.57 90 top
C29#6  0.1uF  [C_0402_1005Metric]  146.97 76.87 90 top
C29#7  0.1uF  [C_0402_1005Metric]  28.67 142.17 90 top
C29#8  0.1uF  [C_0402_1005Metric]  146.97 11.57 90 top
C29#9  0.1uF  [C_0402_1005Metric]  87.82 76.87 90 top
C30  100uF  [C_1206_3216Metric]  24.46 77.91 180 top
C30#2  100uF  [C_1206_3216Metric]  142.76 143.21 180 top
C30#3  100uF  [C_1206_3216Metric]  83.61 77.91 180 top
C30#4  100uF  [C_1206_3216Metric]  142.76 77.91 180 top
C30#5  100uF  [C_1206_3216Metric]  83.61 143.21 180 top
C30#6  100uF  [C_1206_3216Metric]  142.76 12.61 180 top
C30#7  100uF  [C_1206_3216Metric]  24.46 12.61 180 top
C30#8  100uF  [C_1206_3216Metric]  83.61 12.61 180 top
C30#9  100uF  [C_1206_3216Metric]  24.46 143.21 180 top
C31  1.5nF  [C_0805_2012Metric]  84.91 74.77 90 top
C31#2  1.5nF  [C_0805_2012Metric]  25.76 74.77 90 top
C31#3  1.5nF  [C_0805_2012Metric]  84.91 140.07 90 top
C31#4  1.5nF  [C_0805_2012Metric]  25.76 9.47 90 top
C31#5  1.5nF  [C_0805_2012Metric]  144.06 140.07 90 top
C31#6  1.5nF  [C_0805_2012Metric]  144.06 9.47 90 top
C31#7  1.5nF  [C_0805_2012Metric]  144.06 74.77 90 top
C31#8  1.5nF  [C_0805_2012Metric]  25.76 140.07 90 top
C31#9  1.5nF  [C_0805_2012Metric]  84.91 9.47 90 top
C32  10uF  [C_0603_1608Metric]  133.85 28.02 180 top
C32#2  10uF  [C_0603_1608Metric]  74.7 158.62 180 top
C32#3  10uF  [C_0603_1608Metric]  15.55 93.32 180 top
C32#4  10uF  [C_0603_1608Metric]  15.55 158.62 180 top
C32#5  10uF  [C_0603_1608Metric]  74.7 28.02 180 top
C32#6  10uF  [C_0603_1608Metric]  15.55 28.02 180 top
C32#7  10uF  [C_0603_1608Metric]  74.7 93.32 180 top
C32#8  10uF  [C_0603_1608Metric]  133.85 93.32 180 top
C32#9  10uF  [C_0603_1608Metric]  133.85 158.62 180 top
D1  LED_Small  [LED_0603_1608Metric]  143.17 26.56 90 top
D1#2  LED_Small  [LED_0603_1608Metric]  84.02 157.16 90 top
D1#3  LED_Small  [LED_0603_1608Metric]  143.17 157.16 90 top
D1#4  LED_Small  [LED_0603_1608Metric]  84.02 91.86 90 top
D1#5  LED_Small  [LED_0603_1608Metric]  24.87 26.56 90 top
D1#6  LED_Small  [LED_0603_1608Metric]  143.17 91.86 90 top
D1#7  LED_Small  [LED_0603_1608Metric]  24.87 91.86 90 top
D1#8  LED_Small  [LED_0603_1608Metric]  24.87 157.16 90 top
D1#9  LED_Small  [LED_0603_1608Metric]  84.02 26.56 90 top
D2  LED_Small  [LED_0603_1608Metric]  81.36 91.73 270 top
D2#2  LED_Small  [LED_0603_1608Metric]  22.2 157.03 270 top
D2#3  LED_Small  [LED_0603_1608Metric]  140.5 91.73 270 top
D2#4  LED_Small  [LED_0603_1608Metric]  81.36 26.43 270 top
D2#5  LED_Small  [LED_0603_1608Metric]  140.5 26.43 270 top
D2#6  LED_Small  [LED_0603_1608Metric]  140.5 157.03 270 top
D2#7  LED_Small  [LED_0603_1608Metric]  22.2 91.73 270 top
D2#8  LED_Small  [LED_0603_1608Metric]  22.2 26.43 270 top
D2#9  LED_Small  [LED_0603_1608Metric]  81.36 157.03 270 top
D3  LED_Small  [LED_0603_1608Metric]  137.71 157 270 top
D3#2  LED_Small  [LED_0603_1608Metric]  78.56 26.4 270 top
D3#3  LED_Small  [LED_0603_1608Metric]  19.41 157 270 top
D3#4  LED_Small  [LED_0603_1608Metric]  78.56 91.7 270 top
D3#5  LED_Small  [LED_0603_1608Metric]  19.41 91.7 270 top
D3#6  LED_Small  [LED_0603_1608Metric]  19.41 26.4 270 top
D3#7  LED_Small  [LED_0603_1608Metric]  137.71 91.7 270 top
D3#8  LED_Small  [LED_0603_1608Metric]  137.71 26.4 270 top
D3#9  LED_Small  [LED_0603_1608Metric]  78.56 157 270 top
D7  D_Schottky  [D_SMA]  12.15 161.42 90 top